# KiCad board badge.kicad_pcb (continued)
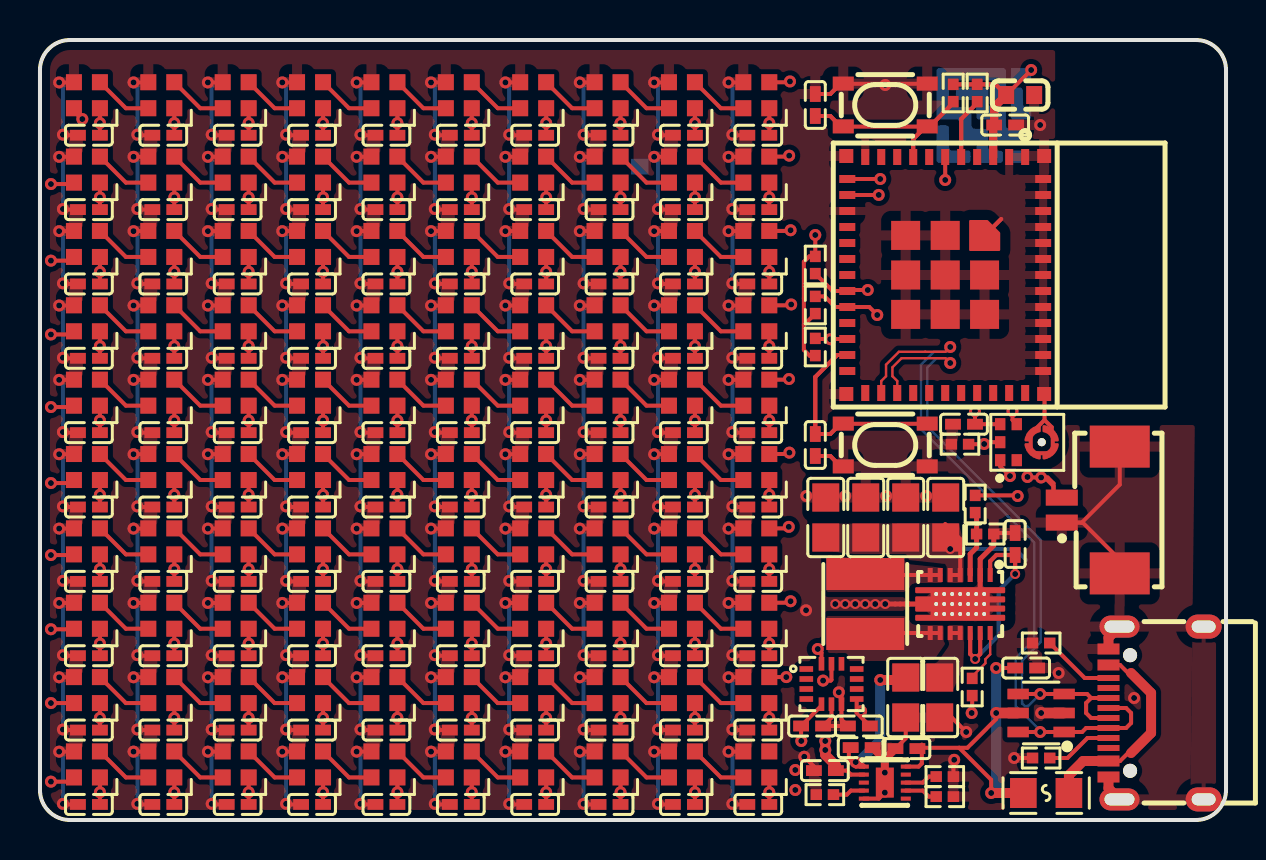
[diagram p0: board, top side]
## Library data of the parts (continued)
C85 = -: Datasheet: https://www.lcsc.com/datasheet/lcsc_datasheet_2304140030_Samsung-Electro-Mechanics-CL05B104KO5NNNC_C1525.pdf; checksum: dee2f3e8b3b5dcf7b72bbcb4e8c6e40185d754e15ce4224dccbc55d9ddeb3abe; __atopile_lib_fp_hash__: abd85f6b-95fa-ed5a-88fe-be39d3a76574; LCSC: C1525; Manufacturer: Samsung Electro-Mechanics; Partnumber: CL05B104KO5NNNC; PARAM_capacitance: {"type": "Quantity_Interval_Disjoint", "data": {"intervals": {"type": "Numeric_Interval_Disjoint", "data": {"intervals": [{"type": "Numeric_Interval", "data": {"min": 9e-08, "max": 1.1e-07}}]}}, "unit": "farad"}}; PARAM_max_voltage: {"type": "Quantity_Set_Discrete", "data": {"intervals": {"type": "Numeric_Interval_Disjoint", "data": {"intervals": [{"type": "Numeric_Interval", "data": {"min": 16.0, "max": 16.0}}]}}, "unit": "volt"}}; PARAM_temperature_coefficient: {"type": "EnumSet", "data": {"elements": [{"name": "X7R"}], "enum": {"name": "TemperatureCoefficient", "values": {"Y5V": 1, "Z5U": 2, "X7S": 3, "X5R": 4, "X6R": 5, "X7R": 6, "X8R": 7, "C0G": 8}}}}; atopile_address: led_grid.rows[8].leds[0].cap; atopile_subaddresses: [.ato/modules/atopile/addressable-leds/layouts/default/default.kicad_pcb:cap, layouts/grid100x100/grid100x100.kicad_pcb:rows[8].leds[0].cap, layouts/strip10/strip10.kicad_pcb:leds[0].cap]
C86 = -: Datasheet: https://www.lcsc.com/datasheet/lcsc_datasheet_2304140030_Samsung-Electro-Mechanics-CL05B104KO5NNNC_C1525.pdf; checksum: dee2f3e8b3b5dcf7b72bbcb4e8c6e40185d754e15ce4224dccbc55d9ddeb3abe; __atopile_lib_fp_hash__: abd85f6b-95fa-ed5a-88fe-be39d3a76574; LCSC: C1525; Manufacturer: Samsung Electro-Mechanics; Partnumber: CL05B104KO5NNNC; PARAM_capacitance: {"type": "Quantity_Interval_Disjoint", "data": {"intervals": {"type": "Numeric_Interval_Disjoint", "data": {"intervals": [{"type": "Numeric_Interval", "data": {"min": 9e-08, "max": 1.1e-07}}]}}, "unit": "farad"}}; PARAM_max_voltage: {"type": "Quantity_Set_Discrete", "data": {"intervals": {"type": "Numeric_Interval_Disjoint", "data": {"intervals": [{"type": "Numeric_Interval", "data": {"min": 16.0, "max": 16.0}}]}}, "unit": "volt"}}; PARAM_temperature_coefficient: {"type": "EnumSet", "data": {"elements": [{"name": "X7R"}], "enum": {"name": "TemperatureCoefficient", "values": {"Y5V": 1, "Z5U": 2, "X7S": 3, "X5R": 4, "X6R": 5, "X7R": 6, "X8R": 7, "C0G": 8}}}}; atopile_address: led_grid.rows[8].leds[1].cap; atopile_subaddresses: [.ato/modules/atopile/addressable-leds/layouts/default/default.kicad_pcb:cap, layouts/grid100x100/grid100x100.kicad_pcb:rows[8].leds[1].cap, layouts/strip10/strip10.kicad_pcb:leds[1].cap]
C87 = -: Datasheet: https://www.lcsc.com/datasheet/lcsc_datasheet_2304140030_Samsung-Electro-Mechanics-CL05B104KO5NNNC_C1525.pdf; checksum: dee2f3e8b3b5dcf7b72bbcb4e8c6e40185d754e15ce4224dccbc55d9ddeb3abe; __atopile_lib_fp_hash__: abd85f6b-95fa-ed5a-88fe-be39d3a76574; LCSC: C1525; Manufacturer: Samsung Electro-Mechanics; Partnumber: CL05B104KO5NNNC; PARAM_capacitance: {"type": "Quantity_Interval_Disjoint", "data": {"intervals": {"type": "Numeric_Interval_Disjoint", "data": {"intervals": [{"type": "Numeric_Interval", "data": {"min": 9e-08, "max": 1.1e-07}}]}}, "unit": "farad"}}; PARAM_max_voltage: {"type": "Quantity_Set_Discrete", "data": {"intervals": {"type": "Numeric_Interval_Disjoint", "data": {"intervals": [{"type": "Numeric_Interval", "data": {"min": 16.0, "max": 16.0}}]}}, "unit": "volt"}}; PARAM_temperature_coefficient: {"type": "EnumSet", "data": {"elements": [{"name": "X7R"}], "enum": {"name": "TemperatureCoefficient", "values": {"Y5V": 1, "Z5U": 2, "X7S": 3, "X5R": 4, "X6R": 5, "X7R": 6, "X8R": 7, "C0G": 8}}}}; atopile_address: led_grid.rows[8].leds[2].cap; atopile_subaddresses: [.ato/modules/atopile/addressable-leds/layouts/default/default.kicad_pcb:cap, layouts/grid100x100/grid100x100.kicad_pcb:rows[8].leds[2].cap, layouts/strip10/strip10.kicad_pcb:leds[2].cap]
C88 = -: Datasheet: https://www.lcsc.com/datasheet/lcsc_datasheet_2304140030_Samsung-Electro-Mechanics-CL05B104KO5NNNC_C1525.pdf; checksum: dee2f3e8b3b5dcf7b72bbcb4e8c6e40185d754e15ce4224dccbc55d9ddeb3abe; __atopile_lib_fp_hash__: abd85f6b-95fa-ed5a-88fe-be39d3a76574; LCSC: C1525; Manufacturer: Samsung Electro-Mechanics; Partnumber: CL05B104KO5NNNC; PARAM_capacitance: {"type": "Quantity_Interval_Disjoint", "data": {"intervals": {"type": "Numeric_Interval_Disjoint", "data": {"intervals": [{"type": "Numeric_Interval", "data": {"min": 9e-08, "max": 1.1e-07}}]}}, "unit": "farad"}}; PARAM_max_voltage: {"type": "Quantity_Set_Discrete", "data": {"intervals": {"type": "Numeric_Interval_Disjoint", "data": {"intervals": [{"type": "Numeric_Interval", "data": {"min": 16.0, "max": 16.0}}]}}, "unit": "volt"}}; PARAM_temperature_coefficient: {"type": "EnumSet", "data": {"elements": [{"name": "X7R"}], "enum": {"name": "TemperatureCoefficient", "values": {"Y5V": 1, "Z5U": 2, "X7S": 3, "X5R": 4, "X6R": 5, "X7R": 6, "X8R": 7, "C0G": 8}}}}; atopile_address: led_grid.rows[8].leds[3].cap; atopile_subaddresses: [.ato/modules/atopile/addressable-leds/layouts/default/default.kicad_pcb:cap, layouts/grid100x100/grid100x100.kicad_pcb:rows[8].leds[3].cap, layouts/strip10/strip10.kicad_pcb:leds[3].cap]
C89 = -: Datasheet: https://www.lcsc.com/datasheet/lcsc_datasheet_2304140030_Samsung-Electro-Mechanics-CL05B104KO5NNNC_C1525.pdf; checksum: dee2f3e8b3b5dcf7b72bbcb4e8c6e40185d754e15ce4224dccbc55d9ddeb3abe; __atopile_lib_fp_hash__: abd85f6b-95fa-ed5a-88fe-be39d3a76574; LCSC: C1525; Manufacturer: Samsung Electro-Mechanics; Partnumber: CL05B104KO5NNNC; PARAM_capacitance: {"type": "Quantity_Interval_Disjoint", "data": {"intervals": {"type": "Numeric_Interval_Disjoint", "data": {"intervals": [{"type": "Numeric_Interval", "data": {"min": 9e-08, "max": 1.1e-07}}]}}, "unit": "farad"}}; PARAM_max_voltage: {"type": "Quantity_Set_Discrete", "data": {"intervals": {"type": "Numeric_Interval_Disjoint", "data": {"intervals": [{"type": "Numeric_Interval", "data": {"min": 16.0, "max": 16.0}}]}}, "unit": "volt"}}; PARAM_temperature_coefficient: {"type": "EnumSet", "data": {"elements": [{"name": "X7R"}], "enum": {"name": "TemperatureCoefficient", "values": {"Y5V": 1, "Z5U": 2, "X7S": 3, "X5R": 4, "X6R": 5, "X7R": 6, "X8R": 7, "C0G": 8}}}}; atopile_address: led_grid.rows[8].leds[4].cap; atopile_subaddresses: [.ato/modules/atopile/addressable-leds/layouts/default/default.kicad_pcb:cap, layouts/grid100x100/grid100x100.kicad_pcb:rows[8].leds[4].cap, layouts/strip10/strip10.kicad_pcb:leds[4].cap]
C90 = -: Datasheet: https://www.lcsc.com/datasheet/lcsc_datasheet_2304140030_Samsung-Electro-Mechanics-CL05B104KO5NNNC_C1525.pdf; checksum: dee2f3e8b3b5dcf7b72bbcb4e8c6e40185d754e15ce4224dccbc55d9ddeb3abe; __atopile_lib_fp_hash__: abd85f6b-95fa-ed5a-88fe-be39d3a76574; LCSC: C1525; Manufacturer: Samsung Electro-Mechanics; Partnumber: CL05B104KO5NNNC; PARAM_capacitance: {"type": "Quantity_Interval_Disjoint", "data": {"intervals": {"type": "Numeric_Interval_Disjoint", "data": {"intervals": [{"type": "Numeric_Interval", "data": {"min": 9e-08, "max": 1.1e-07}}]}}, "unit": "farad"}}; PARAM_max_voltage: {"type": "Quantity_Set_Discrete", "data": {"intervals": {"type": "Numeric_Interval_Disjoint", "data": {"intervals": [{"type": "Numeric_Interval", "data": {"min": 16.0, "max": 16.0}}]}}, "unit": "volt"}}; PARAM_temperature_coefficient: {"type": "EnumSet", "data": {"elements": [{"name": "X7R"}], "enum": {"name": "TemperatureCoefficient", "values": {"Y5V": 1, "Z5U": 2, "X7S": 3, "X5R": 4, "X6R": 5, "X7R": 6, "X8R": 7, "C0G": 8}}}}; atopile_address: led_grid.rows[8].leds[5].cap; atopile_subaddresses: [.ato/modules/atopile/addressable-leds/layouts/default/default.kicad_pcb:cap, layouts/grid100x100/grid100x100.kicad_pcb:rows[8].leds[5].cap, layouts/strip10/strip10.kicad_pcb:leds[5].cap]
C91 = -: Datasheet: https://www.lcsc.com/datasheet/lcsc_datasheet_2304140030_Samsung-Electro-Mechanics-CL05B104KO5NNNC_C1525.pdf; checksum: dee2f3e8b3b5dcf7b72bbcb4e8c6e40185d754e15ce4224dccbc55d9ddeb3abe; __atopile_lib_fp_hash__: abd85f6b-95fa-ed5a-88fe-be39d3a76574; LCSC: C1525; Manufacturer: Samsung Electro-Mechanics; Partnumber: CL05B104KO5NNNC; PARAM_capacitance: {"type": "Quantity_Interval_Disjoint", "data": {"intervals": {"type": "Numeric_Interval_Disjoint", "data": {"intervals": [{"type": "Numeric_Interval", "data": {"min": 9e-08, "max": 1.1e-07}}]}}, "unit": "farad"}}; PARAM_max_voltage: {"type": "Quantity_Set_Discrete", "data": {"intervals": {"type": "Numeric_Interval_Disjoint", "data": {"intervals": [{"type": "Numeric_Interval", "data": {"min": 16.0, "max": 16.0}}]}}, "unit": "volt"}}; PARAM_temperature_coefficient: {"type": "EnumSet", "data": {"elements": [{"name": "X7R"}], "enum": {"name": "TemperatureCoefficient", "values": {"Y5V": 1, "Z5U": 2, "X7S": 3, "X5R": 4, "X6R": 5, "X7R": 6, "X8R": 7, "C0G": 8}}}}; atopile_address: led_grid.rows[8].leds[6].cap; atopile_subaddresses: [.ato/modules/atopile/addressable-leds/layouts/default/default.kicad_pcb:cap, layouts/grid100x100/grid100x100.kicad_pcb:rows[8].leds[6].cap, layouts/strip10/strip10.kicad_pcb:leds[6].cap]
C92 = -: Datasheet: https://www.lcsc.com/datasheet/lcsc_datasheet_2304140030_Samsung-Electro-Mechanics-CL05B104KO5NNNC_C1525.pdf; checksum: dee2f3e8b3b5dcf7b72bbcb4e8c6e40185d754e15ce4224dccbc55d9ddeb3abe; __atopile_lib_fp_hash__: abd85f6b-95fa-ed5a-88fe-be39d3a76574; LCSC: C1525; Manufacturer: Samsung Electro-Mechanics; Partnumber: CL05B104KO5NNNC; PARAM_capacitance: {"type": "Quantity_Interval_Disjoint", "data": {"intervals": {"type": "Numeric_Interval_Disjoint", "data": {"intervals": [{"type": "Numeric_Interval", "data": {"min": 9e-08, "max": 1.1e-07}}]}}, "unit": "farad"}}; PARAM_max_voltage: {"type": "Quantity_Set_Discrete", "data": {"intervals": {"type": "Numeric_Interval_Disjoint", "data": {"intervals": [{"type": "Numeric_Interval", "data": {"min": 16.0, "max": 16.0}}]}}, "unit": "volt"}}; PARAM_temperature_coefficient: {"type": "EnumSet", "data": {"elements": [{"name": "X7R"}], "enum": {"name": "TemperatureCoefficient", "values": {"Y5V": 1, "Z5U": 2, "X7S": 3, "X5R": 4, "X6R": 5, "X7R": 6, "X8R": 7, "C0G": 8}}}}; atopile_address: led_grid.rows[8].leds[7].cap; atopile_subaddresses: [.ato/modules/atopile/addressable-leds/layouts/default/default.kicad_pcb:cap, layouts/grid100x100/grid100x100.kicad_pcb:rows[8].leds[7].cap, layouts/strip10/strip10.kicad_pcb:leds[7].cap]
C93 = -: Datasheet: https://www.lcsc.com/datasheet/lcsc_datasheet_2304140030_Samsung-Electro-Mechanics-CL05B104KO5NNNC_C1525.pdf; checksum: dee2f3e8b3b5dcf7b72bbcb4e8c6e40185d754e15ce4224dccbc55d9ddeb3abe; __atopile_lib_fp_hash__: abd85f6b-95fa-ed5a-88fe-be39d3a76574; LCSC: C1525; Manufacturer: Samsung Electro-Mechanics; Partnumber: CL05B104KO5NNNC; PARAM_capacitance: {"type": "Quantity_Interval_Disjoint", "data": {"intervals": {"type": "Numeric_Interval_Disjoint", "data": {"intervals": [{"type": "Numeric_Interval", "data": {"min": 9e-08, "max": 1.1e-07}}]}}, "unit": "farad"}}; PARAM_max_voltage: {"type": "Quantity_Set_Discrete", "data": {"intervals": {"type": "Numeric_Interval_Disjoint", "data": {"intervals": [{"type": "Numeric_Interval", "data": {"min": 16.0, "max": 16.0}}]}}, "unit": "volt"}}; PARAM_temperature_coefficient: {"type": "EnumSet", "data": {"elements": [{"name": "X7R"}], "enum": {"name": "TemperatureCoefficient", "values": {"Y5V": 1, "Z5U": 2, "X7S": 3, "X5R": 4, "X6R": 5, "X7R": 6, "X8R": 7, "C0G": 8}}}}; atopile_address: led_grid.rows[8].leds[8].cap; atopile_subaddresses: [.ato/modules/atopile/addressable-leds/layouts/default/default.kicad_pcb:cap, layouts/grid100x100/grid100x100.kicad_pcb:rows[8].leds[8].cap, layouts/strip10/strip10.kicad_pcb:leds[8].cap]
C94 = -: Datasheet: https://www.lcsc.com/datasheet/lcsc_datasheet_2304140030_Samsung-Electro-Mechanics-CL05B104KO5NNNC_C1525.pdf; checksum: dee2f3e8b3b5dcf7b72bbcb4e8c6e40185d754e15ce4224dccbc55d9ddeb3abe; __atopile_lib_fp_hash__: abd85f6b-95fa-ed5a-88fe-be39d3a76574; LCSC: C1525; Manufacturer: Samsung Electro-Mechanics; Partnumber: CL05B104KO5NNNC; PARAM_capacitance: {"type": "Quantity_Interval_Disjoint", "data": {"intervals": {"type": "Numeric_Interval_Disjoint", "data": {"intervals": [{"type": "Numeric_Interval", "data": {"min": 9e-08, "max": 1.1e-07}}]}}, "unit": "farad"}}; PARAM_max_voltage: {"type": "Quantity_Set_Discrete", "data": {"intervals": {"type": "Numeric_Interval_Disjoint", "data": {"intervals": [{"type": "Numeric_Interval", "data": {"min": 16.0, "max": 16.0}}]}}, "unit": "volt"}}; PARAM_temperature_coefficient: {"type": "EnumSet", "data": {"elements": [{"name": "X7R"}], "enum": {"name": "TemperatureCoefficient", "values": {"Y5V": 1, "Z5U": 2, "X7S": 3, "X5R": 4, "X6R": 5, "X7R": 6, "X8R": 7, "C0G": 8}}}}; atopile_address: led_grid.rows[8].leds[9].cap; atopile_subaddresses: [.ato/modules/atopile/addressable-leds/layouts/default/default.kicad_pcb:cap, layouts/grid100x100/grid100x100.kicad_pcb:rows[8].leds[9].cap, layouts/strip10/strip10.kicad_pcb:leds[9].cap]
C95 = -: Datasheet: https://www.lcsc.com/datasheet/lcsc_datasheet_2304140030_Samsung-Electro-Mechanics-CL05B104KO5NNNC_C1525.pdf; checksum: dee2f3e8b3b5dcf7b72bbcb4e8c6e40185d754e15ce4224dccbc55d9ddeb3abe; __atopile_lib_fp_hash__: abd85f6b-95fa-ed5a-88fe-be39d3a76574; LCSC: C1525; Manufacturer: Samsung Electro-Mechanics; Partnumber: CL05B104KO5NNNC; PARAM_capacitance: {"type": "Quantity_Interval_Disjoint", "data": {"intervals": {"type": "Numeric_Interval_Disjoint", "data": {"intervals": [{"type": "Numeric_Interval", "data": {"min": 9e-08, "max": 1.1e-07}}]}}, "unit": "farad"}}; PARAM_max_voltage: {"type": "Quantity_Set_Discrete", "data": {"intervals": {"type": "Numeric_Interval_Disjoint", "data": {"intervals": [{"type": "Numeric_Interval", "data": {"min": 16.0, "max": 16.0}}]}}, "unit": "volt"}}; PARAM_temperature_coefficient: {"type": "EnumSet", "data": {"elements": [{"name": "X7R"}], "enum": {"name": "TemperatureCoefficient", "values": {"Y5V": 1, "Z5U": 2, "X7S": 3, "X5R": 4, "X6R": 5, "X7R": 6, "X8R": 7, "C0G": 8}}}}; atopile_address: led_grid.rows[9].leds[0].cap; atopile_subaddresses: [.ato/modules/atopile/addressable-leds/layouts/default/default.kicad_pcb:cap, layouts/grid100x100/grid100x100.kicad_pcb:rows[9].leds[0].cap, layouts/strip10/strip10.kicad_pcb:leds[0].cap]
C96 = -: Datasheet: https://www.lcsc.com/datasheet/lcsc_datasheet_2304140030_Samsung-Electro-Mechanics-CL05B104KO5NNNC_C1525.pdf; checksum: dee2f3e8b3b5dcf7b72bbcb4e8c6e40185d754e15ce4224dccbc55d9ddeb3abe; __atopile_lib_fp_hash__: abd85f6b-95fa-ed5a-88fe-be39d3a76574; LCSC: C1525; Manufacturer: Samsung Electro-Mechanics; Partnumber: CL05B104KO5NNNC; PARAM_capacitance: {"type": "Quantity_Interval_Disjoint", "data": {"intervals": {"type": "Numeric_Interval_Disjoint", "data": {"intervals": [{"type": "Numeric_Interval", "data": {"min": 9e-08, "max": 1.1e-07}}]}}, "unit": "farad"}}; PARAM_max_voltage: {"type": "Quantity_Set_Discrete", "data": {"intervals": {"type": "Numeric_Interval_Disjoint", "data": {"intervals": [{"type": "Numeric_Interval", "data": {"min": 16.0, "max": 16.0}}]}}, "unit": "volt"}}; PARAM_temperature_coefficient: {"type": "EnumSet", "data": {"elements": [{"name": "X7R"}], "enum": {"name": "TemperatureCoefficient", "values": {"Y5V": 1, "Z5U": 2, "X7S": 3, "X5R": 4, "X6R": 5, "X7R": 6, "X8R": 7, "C0G": 8}}}}; atopile_address: led_grid.rows[9].leds[1].cap; atopile_subaddresses: [.ato/modules/atopile/addressable-leds/layouts/default/default.kicad_pcb:cap, layouts/grid100x100/grid100x100.kicad_pcb:rows[9].leds[1].cap, layouts/strip10/strip10.kicad_pcb:leds[1].cap]
C97 = -: Datasheet: https://www.lcsc.com/datasheet/lcsc_datasheet_2304140030_Samsung-Electro-Mechanics-CL05B104KO5NNNC_C1525.pdf; checksum: dee2f3e8b3b5dcf7b72bbcb4e8c6e40185d754e15ce4224dccbc55d9ddeb3abe; __atopile_lib_fp_hash__: abd85f6b-95fa-ed5a-88fe-be39d3a76574; LCSC: C1525; Manufacturer: Samsung Electro-Mechanics; Partnumber: CL05B104KO5NNNC; PARAM_capacitance: {"type": "Quantity_Interval_Disjoint", "data": {"intervals": {"type": "Numeric_Interval_Disjoint", "data": {"intervals": [{"type": "Numeric_Interval", "data": {"min": 9e-08, "max": 1.1e-07}}]}}, "unit": "farad"}}; PARAM_max_voltage: {"type": "Quantity_Set_Discrete", "data": {"intervals": {"type": "Numeric_Interval_Disjoint", "data": {"intervals": [{"type": "Numeric_Interval", "data": {"min": 16.0, "max": 16.0}}]}}, "unit": "volt"}}; PARAM_temperature_coefficient: {"type": "EnumSet", "data": {"elements": [{"name": "X7R"}], "enum": {"name": "TemperatureCoefficient", "values": {"Y5V": 1, "Z5U": 2, "X7S": 3, "X5R": 4, "X6R": 5, "X7R": 6, "X8R": 7, "C0G": 8}}}}; atopile_address: led_grid.rows[9].leds[2].cap; atopile_subaddresses: [.ato/modules/atopile/addressable-leds/layouts/default/default.kicad_pcb:cap, layouts/grid100x100/grid100x100.kicad_pcb:rows[9].leds[2].cap, layouts/strip10/strip10.kicad_pcb:leds[2].cap]
C98 = -: Datasheet: https://www.lcsc.com/datasheet/lcsc_datasheet_2304140030_Samsung-Electro-Mechanics-CL05B104KO5NNNC_C1525.pdf; checksum: dee2f3e8b3b5dcf7b72bbcb4e8c6e40185d754e15ce4224dccbc55d9ddeb3abe; __atopile_lib_fp_hash__: abd85f6b-95fa-ed5a-88fe-be39d3a76574; LCSC: C1525; Manufacturer: Samsung Electro-Mechanics; Partnumber: CL05B104KO5NNNC; PARAM_capacitance: {"type": "Quantity_Interval_Disjoint", "data": {"intervals": {"type": "Numeric_Interval_Disjoint", "data": {"intervals": [{"type": "Numeric_Interval", "data": {"min": 9e-08, "max": 1.1e-07}}]}}, "unit": "farad"}}; PARAM_max_voltage: {"type": "Quantity_Set_Discrete", "data": {"intervals": {"type": "Numeric_Interval_Disjoint", "data": {"intervals": [{"type": "Numeric_Interval", "data": {"min": 16.0, "max": 16.0}}]}}, "unit": "volt"}}; PARAM_temperature_coefficient: {"type": "EnumSet", "data": {"elements": [{"name": "X7R"}], "enum": {"name": "TemperatureCoefficient", "values": {"Y5V": 1, "Z5U": 2, "X7S": 3, "X5R": 4, "X6R": 5, "X7R": 6, "X8R": 7, "C0G": 8}}}}; atopile_address: led_grid.rows[9].leds[3].cap; atopile_subaddresses: [.ato/modules/atopile/addressable-leds/layouts/default/default.kicad_pcb:cap, layouts/grid100x100/grid100x100.kicad_pcb:rows[9].leds[3].cap, layouts/strip10/strip10.kicad_pcb:leds[3].cap]
C99 = -: Datasheet: https://www.lcsc.com/datasheet/lcsc_datasheet_2304140030_Samsung-Electro-Mechanics-CL05B104KO5NNNC_C1525.pdf; checksum: dee2f3e8b3b5dcf7b72bbcb4e8c6e40185d754e15ce4224dccbc55d9ddeb3abe; __atopile_lib_fp_hash__: abd85f6b-95fa-ed5a-88fe-be39d3a76574; LCSC: C1525; Manufacturer: Samsung Electro-Mechanics; Partnumber: CL05B104KO5NNNC; PARAM_capacitance: {"type": "Quantity_Interval_Disjoint", "data": {"intervals": {"type": "Numeric_Interval_Disjoint", "data": {"intervals": [{"type": "Numeric_Interval", "data": {"min": 9e-08, "max": 1.1e-07}}]}}, "unit": "farad"}}; PARAM_max_voltage: {"type": "Quantity_Set_Discrete", "data": {"intervals": {"type": "Numeric_Interval_Disjoint", "data": {"intervals": [{"type": "Numeric_Interval", "data": {"min": 16.0, "max": 16.0}}]}}, "unit": "volt"}}; PARAM_temperature_coefficient: {"type": "EnumSet", "data": {"elements": [{"name": "X7R"}], "enum": {"name": "TemperatureCoefficient", "values": {"Y5V": 1, "Z5U": 2, "X7S": 3, "X5R": 4, "X6R": 5, "X7R": 6, "X8R": 7, "C0G": 8}}}}; atopile_address: led_grid.rows[9].leds[4].cap; atopile_subaddresses: [.ato/modules/atopile/addressable-leds/layouts/default/default.kicad_pcb:cap, layouts/grid100x100/grid100x100.kicad_pcb:rows[9].leds[4].cap, layouts/strip10/strip10.kicad_pcb:leds[4].cap]
C100 = -: Datasheet: https://www.lcsc.com/datasheet/lcsc_datasheet_2304140030_Samsung-Electro-Mechanics-CL05B104KO5NNNC_C1525.pdf; checksum: dee2f3e8b3b5dcf7b72bbcb4e8c6e40185d754e15ce4224dccbc55d9ddeb3abe; __atopile_lib_fp_hash__: abd85f6b-95fa-ed5a-88fe-be39d3a76574; LCSC: C1525; Manufacturer: Samsung Electro-Mechanics; Partnumber: CL05B104KO5NNNC; PARAM_capacitance: {"type": "Quantity_Interval_Disjoint", "data": {"intervals": {"type": "Numeric_Interval_Disjoint", "data": {"intervals": [{"type": "Numeric_Interval", "data": {"min": 9e-08, "max": 1.1e-07}}]}}, "unit": "farad"}}; PARAM_max_voltage: {"type": "Quantity_Set_Discrete", "data": {"intervals": {"type": "Numeric_Interval_Disjoint", "data": {"intervals": [{"type": "Numeric_Interval", "data": {"min": 16.0, "max": 16.0}}]}}, "unit": "volt"}}; PARAM_temperature_coefficient: {"type": "EnumSet", "data": {"elements": [{"name": "X7R"}], "enum": {"name": "TemperatureCoefficient", "values": {"Y5V": 1, "Z5U": 2, "X7S": 3, "X5R": 4, "X6R": 5, "X7R": 6, "X8R": 7, "C0G": 8}}}}; atopile_address: led_grid.rows[9].leds[5].cap; atopile_subaddresses: [.ato/modules/atopile/addressable-leds/layouts/default/default.kicad_pcb:cap, layouts/grid100x100/grid100x100.kicad_pcb:rows[9].leds[5].cap, layouts/strip10/strip10.kicad_pcb:leds[5].cap]
C101 = -: Datasheet: https://www.lcsc.com/datasheet/lcsc_datasheet_2304140030_Samsung-Electro-Mechanics-CL05B104KO5NNNC_C1525.pdf; checksum: dee2f3e8b3b5dcf7b72bbcb4e8c6e40185d754e15ce4224dccbc55d9ddeb3abe; __atopile_lib_fp_hash__: abd85f6b-95fa-ed5a-88fe-be39d3a76574; LCSC: C1525; Manufacturer: Samsung Electro-Mechanics; Partnumber: CL05B104KO5NNNC; PARAM_capacitance: {"type": "Quantity_Interval_Disjoint", "data": {"intervals": {"type": "Numeric_Interval_Disjoint", "data": {"intervals": [{"type": "Numeric_Interval", "data": {"min": 9e-08, "max": 1.1e-07}}]}}, "unit": "farad"}}; PARAM_max_voltage: {"type": "Quantity_Set_Discrete", "data": {"intervals": {"type": "Numeric_Interval_Disjoint", "data": {"intervals": [{"type": "Numeric_Interval", "data": {"min": 16.0, "max": 16.0}}]}}, "unit": "volt"}}; PARAM_temperature_coefficient: {"type": "EnumSet", "data": {"elements": [{"name": "X7R"}], "enum": {"name": "TemperatureCoefficient", "values": {"Y5V": 1, "Z5U": 2, "X7S": 3, "X5R": 4, "X6R": 5, "X7R": 6, "X8R": 7, "C0G": 8}}}}; atopile_address: led_grid.rows[9].leds[6].cap; atopile_subaddresses: [.ato/modules/atopile/addressable-leds/layouts/default/default.kicad_pcb:cap, layouts/grid100x100/grid100x100.kicad_pcb:rows[9].leds[6].cap, layouts/strip10/strip10.kicad_pcb:leds[6].cap]
C102 = -: Datasheet: https://www.lcsc.com/datasheet/lcsc_datasheet_2304140030_Samsung-Electro-Mechanics-CL05B104KO5NNNC_C1525.pdf; checksum: dee2f3e8b3b5dcf7b72bbcb4e8c6e40185d754e15ce4224dccbc55d9ddeb3abe; __atopile_lib_fp_hash__: abd85f6b-95fa-ed5a-88fe-be39d3a76574; LCSC: C1525; Manufacturer: Samsung Electro-Mechanics; Partnumber: CL05B104KO5NNNC; PARAM_capacitance: {"type": "Quantity_Interval_Disjoint", "data": {"intervals": {"type": "Numeric_Interval_Disjoint", "data": {"intervals": [{"type": "Numeric_Interval", "data": {"min": 9e-08, "max": 1.1e-07}}]}}, "unit": "farad"}}; PARAM_max_voltage: {"type": "Quantity_Set_Discrete", "data": {"intervals": {"type": "Numeric_Interval_Disjoint", "data": {"intervals": [{"type": "Numeric_Interval", "data": {"min": 16.0, "max": 16.0}}]}}, "unit": "volt"}}; PARAM_temperature_coefficient: {"type": "EnumSet", "data": {"elements": [{"name": "X7R"}], "enum": {"name": "TemperatureCoefficient", "values": {"Y5V": 1, "Z5U": 2, "X7S": 3, "X5R": 4, "X6R": 5, "X7R": 6, "X8R": 7, "C0G": 8}}}}; atopile_address: led_grid.rows[9].leds[7].cap; atopile_subaddresses: [.ato/modules/atopile/addressable-leds/layouts/default/default.kicad_pcb:cap, layouts/grid100x100/grid100x100.kicad_pcb:rows[9].leds[7].cap, layouts/strip10/strip10.kicad_pcb:leds[7].cap]
C103 = -: Datasheet: https://www.lcsc.com/datasheet/lcsc_datasheet_2304140030_Samsung-Electro-Mechanics-CL05B104KO5NNNC_C1525.pdf; checksum: dee2f3e8b3b5dcf7b72bbcb4e8c6e40185d754e15ce4224dccbc55d9ddeb3abe; __atopile_lib_fp_hash__: abd85f6b-95fa-ed5a-88fe-be39d3a76574; LCSC: C1525; Manufacturer: Samsung Electro-Mechanics; Partnumber: CL05B104KO5NNNC; PARAM_capacitance: {"type": "Quantity_Interval_Disjoint", "data": {"intervals": {"type": "Numeric_Interval_Disjoint", "data": {"intervals": [{"type": "Numeric_Interval", "data": {"min": 9e-08, "max": 1.1e-07}}]}}, "unit": "farad"}}; PARAM_max_voltage: {"type": "Quantity_Set_Discrete", "data": {"intervals": {"type": "Numeric_Interval_Disjoint", "data": {"intervals": [{"type": "Numeric_Interval", "data": {"min": 16.0, "max": 16.0}}]}}, "unit": "volt"}}; PARAM_temperature_coefficient: {"type": "EnumSet", "data": {"elements": [{"name": "X7R"}], "enum": {"name": "TemperatureCoefficient", "values": {"Y5V": 1, "Z5U": 2, "X7S": 3, "X5R": 4, "X6R": 5, "X7R": 6, "X8R": 7, "C0G": 8}}}}; atopile_address: led_grid.rows[9].leds[8].cap; atopile_subaddresses: [.ato/modules/atopile/addressable-leds/layouts/default/default.kicad_pcb:cap, layouts/grid100x100/grid100x100.kicad_pcb:rows[9].leds[8].cap, layouts/strip10/strip10.kicad_pcb:leds[8].cap]
